# Altium PCB STM32MP15XXAC_1DDR3Lx16_A01.PcbDoc (part 1 of 3) (continued)
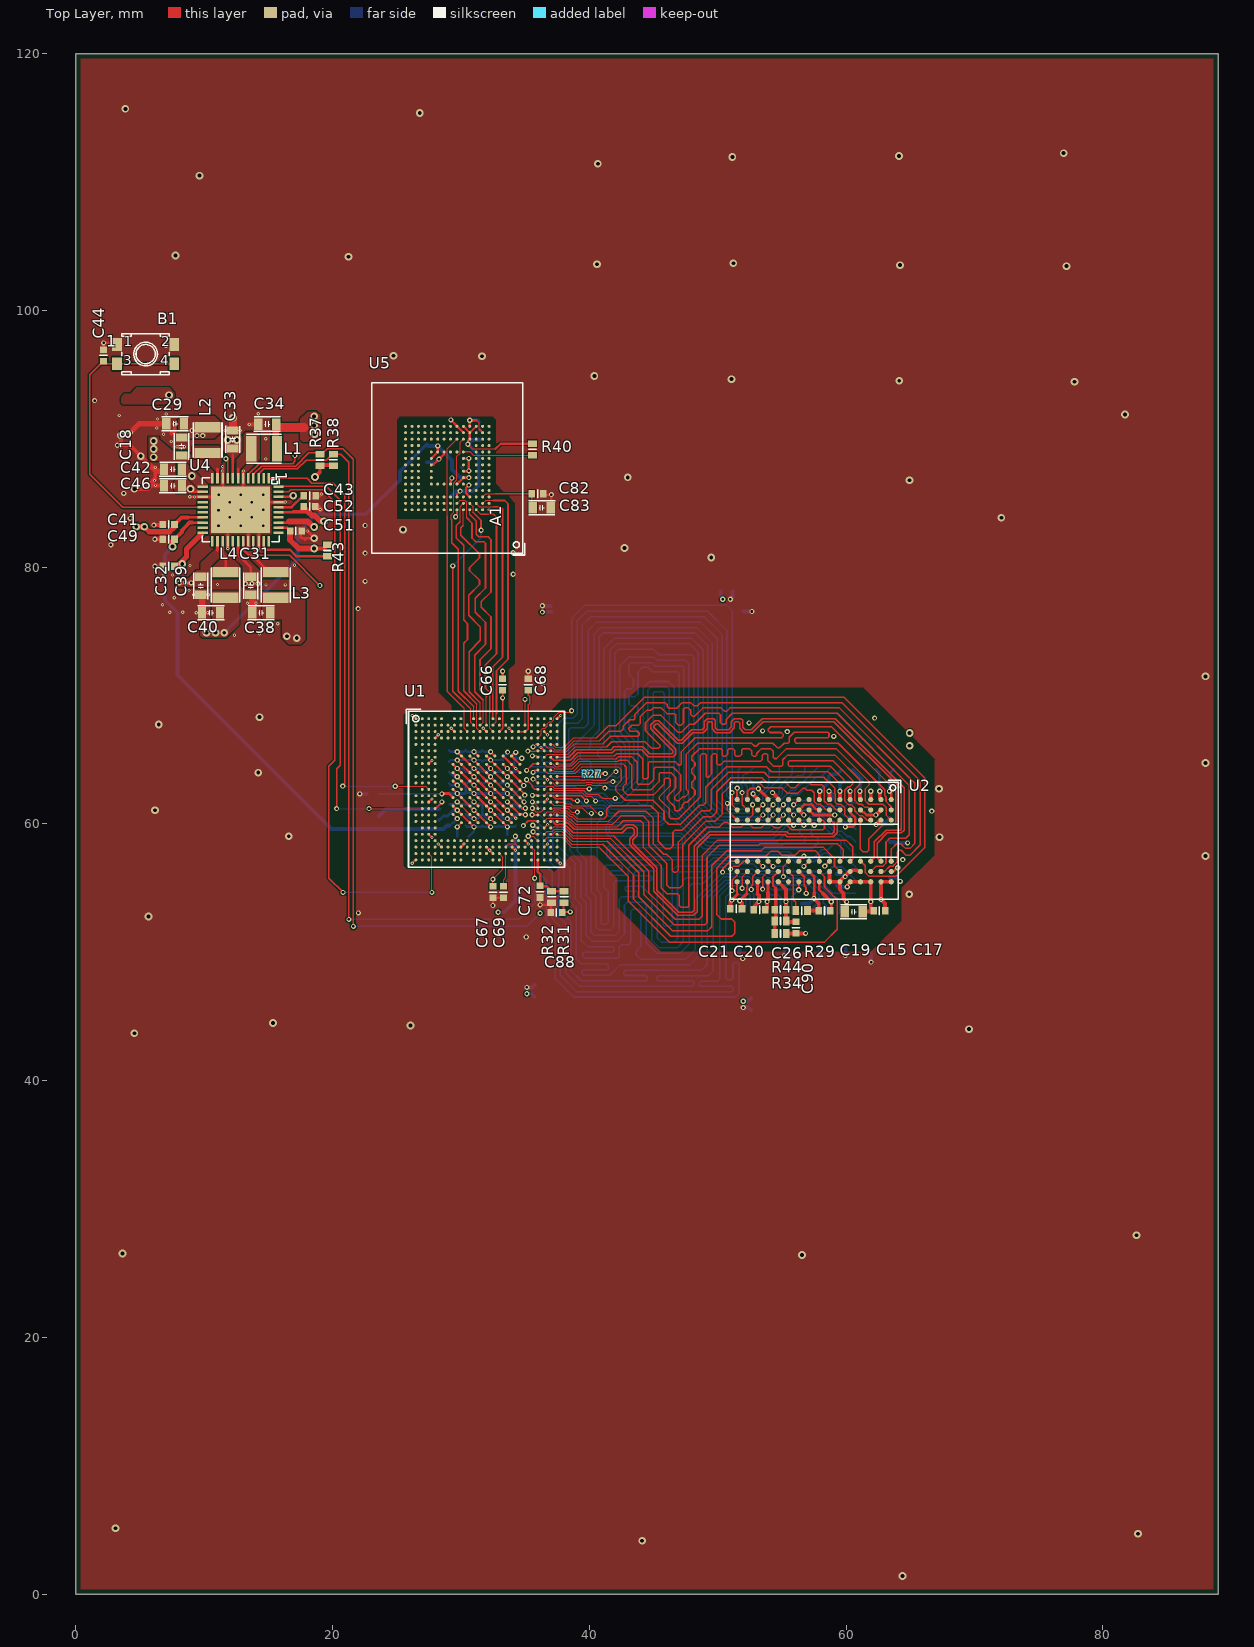
[diagram p0: Top Layer view]
## Classes and differential pairs
net class eMMC_SDIO2_D[0..7]: eMMC_SDIO2_D0 eMMC_SDIO2_D1 eMMC_SDIO2_D2 eMMC_SDIO2_D3 eMMC_SDIO2_D4 eMMC_SDIO2_D5 eMMC_SDIO2_D6 eMMC_SDIO2_D7
component class U_STM32_MPU_IOs: C72 C88 R27 R31 R32 R37 R38 U1
component class U_eMMC: C78 C79 C80 C81 C82 C83 R40 U5
component class U_Power_PMIC: B1 C18 C29 C31 C32 C33 C34 C38 C39 C40 C41 C42 C43 C44 C46 C49 C51 C52 L1 L2 L3 L4 R43 U4
component class U_Power_MPU: C30 C35 C36 C37 C45 C47 C48 C50 C53 C54 C55 C56 C57 C61 C66 C67 C68 C69 C70 C71 C75 C76 C77 C92 C94 C95 C96 C97 R41
component class U_1DDR3L_16bits: C1 C2 C3 C4 C5 C6 C7 C8 C9 C10 C11 C12 C13 C14 C15 C16 C17 C19 C20 C21 C22 C23 C24 C25 C26 C84 C85 C86 C87 C89 C90 R1 R2 R3 R4 R5 R6 R7 R8 R9 R10 R11 R12 R13 R14 R15 R16 R17 R18 R19 R20 R21 R22 R23 R24 R25 R26 R28 R29 R33 R34 R42 R44 U2
polygon class POLY_DIRECT_ALL: NETC906_2_L01_P192
differential pair class DIFF_DQS0: DDR_DQS0
differential pair class DIFF_DQS1: DDR_DQS1
differential pair class DIFF_CLK: DDR_CLK
differential pair DDR_DQS1: +DDR_DQS1_P -DDR_DQS1_N
differential pair DDR_DQS0: +DDR_DQS0_P -DDR_DQS0_N
differential pair DDR_CLK: +DDR_CLK_P -DDR_CLK_N

## Components (designator, comment, footprint, x,y, rotation, side; value= is the part's Value field where it differs from the comment)
B1 "" SWI_JIUBABA_C-TS-02H-2-5-B-V-T_R_BLUE 5.45,96.6 r0 top value=SW-PUSH-TS-02H-Blue
C1 "" C0402 57.955,50.845 r270 bottom value=100nF
C2 "" C0402 51.705,50.845 r270 bottom value=100nF
C3 "" C0402 53.205,50.845 r270 bottom value=100nF
C4 "" C0402 55.205,50.845 r270 bottom value=100nF
C5 "" C0402 59.955,50.845 r270 bottom value=100nF
C6 "" C0402 62.955,55.845 r0 bottom value=100nF
C7 "" C0402 62.955,58.595 r0 bottom value=100nF
C8 "" C0402 63.325,61 r270 bottom value=100nF
C9 "" C0402 58.3,66.6 r90 bottom value=100nF
C10 "" C0402 56.3,66.6 r90 bottom value=100nF
C11 "" C0402 54.3,66.6 r90 bottom value=100nF
C12 "" C0402 52.3,66.595 r90 bottom value=100nF
C13 "" C0603 61.955,50.595 r90 bottom value=22uF
C14 "" C0603 60.5,66.675 r270 bottom value=22uF
C15 "" C0603 60.6,53.175 r0 top value=10uF
C16 "" C0603 63.025,64.275 r0 bottom value=10uF
C17 "" C0402 62.6,53.25 r0 top value=100nF
C18 "" C0603 8.25,89.4 r270 top value=10uF
C19 "" C0402 58.325,53.25 r180 top value=100nF
C20 "" C0402 53.275,53.325 r180 top value=100nF
C21 "" C0402 51.45,53.4 r180 top value=100nF
C22 "" C0402 53.05,63.4 r180 bottom value=100nF
C23 "" C0402 59.3,55.65 r90 bottom value=100nF
C24 "" C0402 63.025,63.25 r180 bottom value=100nF
C25 "" C0402 58.45,61.925 r0 bottom value=100nF
C26 "" C0402 54.9,53.325 r0 top value=100nF
C29 "" C0603 7.75,91.175 r0 top value=22uF
C30 "" C0402 30.375,65.3 r90 bottom value=1uF
C31 "" C0603 13.625,78.55 r90 top value=10uF
C32 "" C0402 7.25,80.075 r0 top value=1uF
C33 "" C0603 12.25,89.95 r270 top value=10uF
C34 "" C0603 14.925,91.15 r0 top value=22uF
C35 "" C0402 29.075,65.3 r90 bottom value=1uF
C36 "" C0402 31.675,63.625 r90 bottom value=1uF
C37 "" C0402 30.375,63.625 r90 bottom value=1uF
C38 "" C0603 14.45,76.45 r0 top value=22uF
C39 "" C0603 9.75,78.55 r90 top value=10uF
C40 "" C0603 10.55,76.45 r0 top value=22uF
C41 "" C0402 7.25,83.325 r0 top value=1uF
C42 "" C0603 7.575,87.625 r0 top value=10uF
C43 "" C0402 18.234,85.562 r0 top value=4.7uF
C44 "" C0402 2.175,96.5 r270 top value=10nF
C45 "" C0402 32.975,63.625 r270 bottom value=1uF
C46 "" C0603 7.575,86.35 r0 top value=10uF
C47 "" C0402 30.175,59.025 r180 bottom value=1uF
C48 "" C0402 30.375,61.975 r270 bottom value=1uF
C49 "" C0402 7.25,82.175 r0 top value=4.7uF
C50 "" C0402 27.35,60.725 r90 bottom value=1uF
C51 "" C0402 17.15,82.825 r180 top value=4.7uF
C52 "" C0402 18.225,84.725 r180 top value=4.7uF
C53 "" C0402 33.725,64.95 r0 bottom value=1uF
C54 "" C0402 34.275,60.325 r90 bottom value=1uF
C55 "" C0402 32.975,60.325 r90 bottom value=1uF
C56 "" C0402 34.275,61.975 r90 bottom value=1nF
C57 "" C0402 34.275,63.625 r90 bottom value=1nF
C61 "" C0402 23.125,62.35 r0 bottom value=100nF
C66 "Capacitor" C0402 33.25,70.85 r270 top value=100nF
C67 "Capacitor" C0402 32.5,54.7 r90 top value=2.2uF
C68 "Capacitor" C0402 35.25,70.85 r270 top value=2.2uF
C69 "Capacitor" C0402 33.325,54.7 r90 top value=2.2uF
C70 "" C0402 29.125,60.325 r270 bottom value=1uF
C71 "" C0402 33.625,58.725 r270 bottom value=100nF
C72 "" C0402 36.175,54.725 r90 top value=100nF
C75 "" C0402 29.075,63.625 r270 bottom value=1uF
C76 "" C0402 31.675,65.3 r90 bottom value=1uF
C77 "" C0402 32.975,61.975 r270 bottom value=1uF
C78 "" C0402 30.025,87.35 r270 bottom value=100nF
C79 "" C0603 27.35,88.875 r90 bottom value=2.2uF
C80 "" C0402 29.2,85.925 r270 bottom value=100nF
C81 "" C0603 31.475,90.6 r270 bottom value=2.2uF
C82 "" C0402 35.975,85.725 r180 top value=100nF
C83 "" C0603 36.3,84.625 r180 top value=2.2uF
C84 "" C0402 37,76.75 r90 bottom value=100nF
C85 "" C0402 50.7,78.1 r0 bottom value=100nF
C86 "" C0402 52.6,45.95 r270 bottom value=100nF
C87 "" C0402 35.75,47 r90 bottom value=100nF
C88 "" C0402 37.45,53.1 r0 top value=100nF
C89 "" C0402 60.75,63.25 r0 bottom value=100nF
C90 "" C0402 56.1,51.925 r90 top value=100nF
C92 "" C0402 31.675,61.975 r270 bottom value=1uF
C94 "" C0402 29.125,61.975 r270 bottom value=1uF
C95 "" C0402 31.675,60.325 r90 bottom value=1uF
C96 "" C0402 30.375,60.325 r90 bottom value=1uF
C97 "Capacitor" C0402 28.3,60.725 r90 bottom value=10nF
L1 "" IND_2520_TOKO_DFE252012P 14.675,89.225 r0 top value=1uH
L2 "" IND_2520_TOKO_DFE252012P 10.275,89.9 r90 top value=1uH
L3 "" IND_2520_TOKO_DFE252012P 15.575,78.625 r270 top value=1uH
L4 "" IND_2520_TOKO_DFE252012P 11.675,78.625 r270 top value=1uH
R1 "" R0402 57.8,64.85 r90 bottom value=56R
R2 "" R0402 61.2,54.6 r0 bottom value=56R
R3 "" R0402 55.8,64.85 r90 bottom value=56R
R4 "" R0402 56.8,64.85 r90 bottom value=56R
R5 "" R0402 53.65,52.6 r270 bottom value=56R
R6 "" R0402 54.8,64.85 r90 bottom value=56R
R7 "" R0402 52.675,52.6 r270 bottom value=56R
R8 "" R0402 51.8,64.85 r90 bottom value=56R
R9 "" R0402 51.705,52.595 r270 bottom value=56R
R10 "" R0402 53.8,64.85 r90 bottom value=56R
R11 "" R0402 59.5,52.6 r270 bottom value=56R
R12 "" R0402 58.525,52.6 r270 bottom value=56R
R13 "" R0402 61.205,55.595 r0 bottom value=56R
R14 "" R0402 58.955,57.845 r90 bottom value=100R
R15 "" R0402 52.8,64.85 r90 bottom value=56R
R16 "" R0402 57.55,52.6 r270 bottom value=56R
R17 "" R0402 58.8,64.85 r90 bottom value=56R
R18 "" R0402 54.625,52.6 r270 bottom value=56R
R19 "" R0402 61.205,61.595 r0 bottom value=56R
R20 "" R0402 61.205,56.595 r0 bottom value=56R
R21 "" R0402 61.205,57.595 r0 bottom value=56R
R22 "" R0402 61.205,59.595 r0 bottom value=56R
R23 "" R0402 55.6,52.6 r270 bottom value=56R
R24 "" R0402 61.205,58.595 r0 bottom value=56R
R25 "" R0402 61.205,60.595 r0 bottom value=56R
R26 "" R0402 56.58,53.37 r270 bottom value=10K
R27 "" R0402 40.225,63.925 r0 top value="240R 1%"
R28 "" R0402 51.575,76.55 r180 bottom value=10K
R29 "" R0402 56.55,53.25 r180 top value="240R 1%"
R31 "" R0402 38.05,54.325 r270 top value=1K
R32 "" R0402 37.075,54.325 r90 top value=1K
R33 "" R0402 59.1,63.25 r0 bottom value=1K
R34 "" R0402 54.9,51.475 r0 top value=1K
R37 "" R0402 19.025,88.35 r90 top value=1K5
R38 "" R0402 20.074,88.363 r90 top value=1K5
R40 "" R0402 35.575,89.175 r90 top value=10K
R41 "" R0402 23.5,60.175 r90 bottom value=0R
R42 "" R0402 60.075,64.2 r180 bottom value=1K
R43 "" R0402 19.625,81.3 r90 top value=47K
R44 "" R0402 54.9,52.45 r180 top value=1K
U1 "" ICC_TFBGA361_12X12_STM32MP157CAC3_P050-065 32,62.7 r0 top locked value=STM32MP157CAC3
U2 "NT5CC256M16ER-EK" ICC_VFBGA96_9X13_P080 57.525,58.7 r270 top
U4 "" ICC_WFQFN44-EPAD_5X6_P040 12.85,84.475 r270 top value=STPMU1A
U5 "" ICC_P-WFBGA153_13X11P5_P050 28.95,87.725 r90 top locked value=THGBMDG5D1LBAIL

## Footprints (in the part's own frame and the unit in brackets; to place one, negate y for a bottom-side part, rotate by r counter-clockwise, add the part's x,y. Pads: shape width x height; smd on the part's side, far side on the other; paste and mask are expansions set on the pad)
C0402 [mm]
  rect 0.51x0.56 smd mask+0.05: 1(-0.45,0) 2(0.45,0)
  silkscreen extent 0,-0.3 0,0.3, body extent -0.5,-0.3 0.5,0.3, height 0.4
C0603 [mm]
  rect 0.64x0.89 smd mask+0.05: 1(-0.7,0) 2(0.7,0)
  silkscreen extent -1.05,-0.55 1.02,0.55, body extent -0.9,-0.5 0.9,0.5, height 1.4
ICC_P-WFBGA153_13X11P5_P050 [mm]
  round 0.23 smd mask+0.05: A1(-3.25,-3.25) A2(-3.25,-2.75) A3(-3.25,-2.25) A4(-3.25,-1.75) A5(-3.25,-1.25) A6(-3.25,-0.75) A7(-3.25,-0.25) A8(-3.25,0.25) A9(-3.25,0.75) A10(-3.25,1.25) A11(-3.25,1.75) A12(-3.25,2.25) A13(-3.25,2.75) A14(-3.25,3.25) B1(-2.75,-3.25) B2(-2.75,-2.75) B3(-2.75,-2.25) B4(-2.75,-1.75) B5(-2.75,-1.25) B6(-2.75,-0.75) B7(-2.75,-0.25) B8(-2.75,0.25) B9(-2.75,0.75) B10(-2.75,1.25) B11(-2.75,1.75) B12(-2.75,2.25) B13(-2.75,2.75) B14(-2.75,3.25) C1(-2.25,-3.25) C2(-2.25,-2.75) C3(-2.25,-2.25) C4(-2.25,-1.75) C5(-2.25,-1.25) C6(-2.25,-0.75) C7(-2.25,-0.25) C8(-2.25,0.25) C9(-2.25,0.75) C10(-2.25,1.25) C11(-2.25,1.75) C12(-2.25,2.25) C13(-2.25,2.75) C14(-2.25,3.25) D1(-1.75,-3.25) D2(-1.75,-2.75) D3(-1.75,-2.25) D4(-1.75,-1.75) D12(-1.75,2.25) D13(-1.75,2.75) D14(-1.75,3.25) E1(-1.25,-3.25) E2(-1.25,-2.75) E3(-1.25,-2.25) E5(-1.25,-1.25) E6(-1.25,-0.75) E7(-1.25,-0.25) E8(-1.25,0.25) E9(-1.25,0.75) E10(-1.25,1.25) E12(-1.25,2.25) E13(-1.25,2.75) E14(-1.25,3.25) F1(-0.75,-3.25) F2(-0.75,-2.75) F3(-0.75,-2.25) F5(-0.75,-1.25) F10(-0.75,1.25) F12(-0.75,2.25) F13(-0.75,2.75) F14(-0.75,3.25) G1(-0.25,-3.25) G2(-0.25,-2.75) G3(-0.25,-2.25) G5(-0.25,-1.25) G10(-0.25,1.25) G12(-0.25,2.25) G13(-0.25,2.75) G14(-0.25,3.25) H1(0.25,-3.25) H2(0.25,-2.75) H3(0.25,-2.25) H5(0.25,-1.25) H10(0.25,1.25) H12(0.25,2.25) H13(0.25,2.75) H14(0.25,3.25) J1(0.75,-3.25) J2(0.75,-2.75) J3(0.75,-2.25) J5(0.75,-1.25) J10(0.75,1.25) J12(0.75,2.25) J13(0.75,2.75) J14(0.75,3.25) K1(1.25,-3.25) K2(1.25,-2.75) K3(1.25,-2.25) K5(1.25,-1.25) K6(1.25,-0.75) K7(1.25,-0.25) K8(1.25,0.25) K9(1.25,0.75) K10(1.25,1.25) K12(1.25,2.25) K13(1.25,2.75) K14(1.25,3.25) L1(1.75,-3.25) L2(1.75,-2.75) L3(1.75,-2.25) L12(1.75,2.25) L13(1.75,2.75) L14(1.75,3.25) M1(2.25,-3.25) M2(2.25,-2.75) M3(2.25,-2.25) M4(2.25,-1.75) M5(2.25,-1.25) M6(2.25,-0.75) M7(2.25,-0.25) M8(2.25,0.25) M9(2.25,0.75) M10(2.25,1.25) M11(2.25,1.75) M12(2.25,2.25) M13(2.25,2.75) M14(2.25,3.25) N1(2.75,-3.25) N2(2.75,-2.75) N3(2.75,-2.25) N4(2.75,-1.75) N5(2.75,-1.25) N6(2.75,-0.75) N7(2.75,-0.25) N8(2.75,0.25) N9(2.75,0.75) N10(2.75,1.25) N11(2.75,1.75) N12(2.75,2.25) N13(2.75,2.75) N14(2.75,3.25) P1(3.25,-3.25) P2(3.25,-2.75) P3(3.25,-2.25) P4(3.25,-1.75) P5(3.25,-1.25) P6(3.25,-0.75) P7(3.25,-0.25) P8(3.25,0.25) P9(3.25,0.75) P10(3.25,1.25) P11(3.25,1.75) P12(3.25,2.25) P13(3.25,2.75) P14(3.25,3.25)
  silkscreen extent -6.78,-6.02 6.63,5.87, body extent -6.55,-5.8 6.55,5.8, height 1
ICC_TFBGA361_12X12_STM32MP157CAC3_P050-065 [mm] "IPC"
  round 0.23 smd mask+0.05: 1A2(-1.95,2.6) 1A3(-1.3,2.6) 1A4(-0.65,2.6) 1A5(0,2.6) 1A6(0.65,2.6) 1A7(1.3,2.6) 1A8(1.95,2.6) 1B1(-2.6,1.95) 1B2(-1.95,1.95) 1B3(-1.3,1.95) 1B4(-0.65,1.95) 1B5(0,1.95) 1B6(0.65,1.95) 1B7(1.3,1.95) 1B8(1.95,1.95) 1B9(2.6,1.95) 1C1(-2.6,1.3) 1C2(-1.95,1.3) 1C3(-1.3,1.3) 1C4(-0.65,1.3) 1C5(0,1.3) 1C6(0.65,1.3) 1C7(1.3,1.3) 1C8(1.95,1.3) 1C9(2.6,1.3) 1D1(-2.6,0.65) 1D2(-1.95,0.65) 1D3(-1.3,0.65) 1D4(-0.65,0.65) 1D5(0,0.65) 1D6(0.65,0.65) 1D7(1.3,0.65) 1D8(1.95,0.65) 1D9(2.6,0.65) 1E1(-2.6,0) 1E2(-1.95,0) 1E3(-1.3,0) 1E4(-0.65,0) 1E5(0,0) 1E6(0.65,0) 1E7(1.3,0) 1E8(1.95,0) 1E9(2.6,0) 1F1(-2.6,-0.65) 1F2(-1.95,-0.65) 1F3(-1.3,-0.65) 1F4(-0.65,-0.65) 1F5(0,-0.65) 1F6(0.65,-0.65) 1F7(1.3,-0.65) 1F8(1.95,-0.65) 1F9(2.6,-0.65) 1G1(-2.6,-1.3) 1G2(-1.95,-1.3) 1G3(-1.3,-1.3) 1G4(-0.65,-1.3) 1G5(0,-1.3) 1G6(0.65,-1.3) 1G7(1.3,-1.3) 1G8(1.95,-1.3) 1G9(2.6,-1.3) 1H1(-2.6,-1.95) 1H2(-1.95,-1.95) 1H3(-1.3,-1.95) 1H4(-0.65,-1.95) 1H5(0,-1.95) 1H6(0.65,-1.95) 1H7(1.3,-1.95) 1H8(1.95,-1.95) 1H9(2.6,-1.95) 1J2(-1.95,-2.6) 1J3(-1.3,-2.6) 1J4(-0.65,-2.6) 1J5(0,-2.6) 1J6(0.65,-2.6) 1J7(1.3,-2.6) 1J8(1.95,-2.6) A1(-5.5,5.5) A2(-5,5.5) A3(-4.5,5.5) A4(-4,5.5) A5(-3.5,5.5) A7(-2.5,5.5) A8(-2,5.5) A10(-1,5.5) A11(-0.5,5.5) A13(0.5,5.5) A14(1,5.5) A16(2,5.5) A17(2.5,5.5) A19(3.5,5.5) A20(4,5.5) A21(4.5,5.5) A22(5,5.5) A23(5.5,5.5) AA1(-5.5,-4.5) AA2(-5,-4.5) AA3(-4.5,-4.5) AA4(-4,-4.5) AA5(-3.5,-4.5) AA6(-3,-4.5) AA7(-2.5,-4.5) AA8(-2,-4.5) AA9(-1.5,-4.5) AA10(-1,-4.5) AA11(-0.5,-4.5) AA12(0,-4.5) AA13(0.5,-4.5) AA14(1,-4.5) AA15(1.5,-4.5) AA16(2,-4.5) AA17(2.5,-4.5) AA18(3,-4.5) AA19(3.5,-4.5) AA20(4,-4.5) AA21(4.5,-4.5) AA22(5,-4.5) AA23(5.5,-4.5) AB1(-5.5,-5) AB2(-5,-5) AB3(-4.5,-5) AB4(-4,-5) AB5(-3.5,-5) AB6(-3,-5) AB7(-2.5,-5) AB8(-2,-5) AB9(-1.5,-5) AB10(-1,-5) AB11(-0.5,-5) AB12(0,-5) AB13(0.5,-5) AB14(1,-5) AB15(1.5,-5) AB16(2,-5) AB17(2.5,-5) AB18(3,-5) AB19(3.5,-5) AB20(4,-5) AB21(4.5,-5) AB22(5,-5) AB23(5.5,-5) AC1(-5.5,-5.5) AC2(-5,-5.5) AC3(-4.5,-5.5) AC4(-4,-5.5) AC5(-3.5,-5.5) AC7(-2.5,-5.5) AC8(-2,-5.5) AC10(-1,-5.5) AC11(-0.5,-5.5) AC13(0.5,-5.5) AC14(1,-5.5) AC16(2,-5.5) AC17(2.5,-5.5) AC19(3.5,-5.5) AC20(4,-5.5) AC21(4.5,-5.5) AC22(5,-5.5) AC23(5.5,-5.5) B1(-5.5,5) B2(-5,5) B3(-4.5,5) B4(-4,5) B5(-3.5,5) B6(-3,5) B7(-2.5,5) B8(-2,5) B9(-1.5,5) B10(-1,5) B11(-0.5,5) B12(0,5) B13(0.5,5) B14(1,5) B15(1.5,5) B16(2,5) B17(2.5,5) B18(3,5) B19(3.5,5) B20(4,5) B21(4.5,5) B22(5,5) B23(5.5,5) C1(-5.5,4.5) C2(-5,4.5) C3(-4.5,4.5) C4(-4,4.5) C5(-3.5,4.5) C6(-3,4.5) C7(-2.5,4.5) C8(-2,4.5) C9(-1.5,4.5) C10(-1,4.5) C11(-0.5,4.5) C12(0,4.5) C13(0.5,4.5) C14(1,4.5) C15(1.5,4.5) C16(2,4.5) C17(2.5,4.5) C18(3,4.5) C19(3.5,4.5) C20(4,4.5) C21(4.5,4.5) C22(5,4.5) C23(5.5,4.5) D1(-5.5,4) D2(-5,4) D3(-4.5,4) D4(-4,4) D5(-3.5,4) D6(-3,4) D7(-2.5,4) D8(-2,4) D9(-1.5,4) D10(-1,4) D11(-0.5,4) D12(0,4) D13(0.5,4) D14(1,4) D15(1.5,4) D16(2,4) D17(2.5,4) D18(3,4) D19(3.5,4) D20(4,4) D21(4.5,4) D22(5,4) D23(5.5,4) E1(-5.5,3.5) E2(-5,3.5) E3(-4.5,3.5) E4(-4,3.5) E20(4,3.5) E21(4.5,3.5) E22(5,3.5) E23(5.5,3.5) F2(-5,3) F3(-4.5,3) F4(-4,3) F20(4,3) F21(4.5,3) F22(5,3) G1(-5.5,2.5) G2(-5,2.5) G3(-4.5,2.5) G4(-4,2.5) G20(4,2.5) G21(4.5,2.5) G22(5,2.5) G23(5.5,2.5) H1(-5.5,2) H2(-5,2) H3(-4.5,2) H4(-4,2) H20(4,2) H21(4.5,2) H22(5,2) H23(5.5,2) J2(-5,1.5) J3(-4.5,1.5) J4(-4,1.5) J20(4,1.5) J21(4.5,1.5) J22(5,1.5) K1(-5.5,1) K2(-5,1) K3(-4.5,1) K4(-4,1) K20(4,1) K21(4.5,1) K22(5,1) K23(5.5,1) L1(-5.5,0.5) L2(-5,0.5) L3(-4.5,0.5) L4(-4,0.5) L20(4,0.5) L21(4.5,0.5) L22(5,0.5) L23(5.5,0.5) M2(-5,0) M3(-4.5,0) M4(-4,0) M20(4,0) M21(4.5,0) M22(5,0) N1(-5.5,-0.5) N2(-5,-0.5) N3(-4.5,-0.5) N4(-4,-0.5) N20(4,-0.5) N21(4.5,-0.5) N22(5,-0.5) N23(5.5,-0.5) P1(-5.5,-1) P2(-5,-1) P3(-4.5,-1) P4(-4,-1) P20(4,-1) P21(4.5,-1) P22(5,-1) P23(5.5,-1) R2(-5,-1.5) R3(-4.5,-1.5) R4(-4,-1.5) R20(4,-1.5) R21(4.5,-1.5) R22(5,-1.5) T1(-5.5,-2) T2(-5,-2) T3(-4.5,-2) T4(-4,-2) T20(4,-2) T21(4.5,-2) T22(5,-2) T23(5.5,-2) U1(-5.5,-2.5) U2(-5,-2.5) U3(-4.5,-2.5) U4(-4,-2.5) U20(4,-2.5) U21(4.5,-2.5) U22(5,-2.5) U23(5.5,-2.5) V2(-5,-3) V3(-4.5,-3) V4(-4,-3) V20(4,-3) V21(4.5,-3) V22(5,-3) W1(-5.5,-3.5) W2(-5,-3.5) W3(-4.5,-3.5) W4(-4,-3.5) W20(4,-3.5) W21(4.5,-3.5) W22(5,-3.5) W23(5.5,-3.5) Y1(-5.5,-4) Y2(-5,-4) Y3(-4.5,-4) Y4(-4,-4) Y5(-3.5,-4) Y6(-3,-4) Y7(-2.5,-4) Y8(-2,-4) Y9(-1.5,-4) Y10(-1,-4) Y11(-0.5,-4) Y12(0,-4) Y13(0.5,-4) Y14(1,-4) Y15(1.5,-4) Y16(2,-4) Y17(2.5,-4) Y18(3,-4) Y19(3.5,-4) Y20(4,-4) Y21(4.5,-4) Y22(5,-4) Y23(5.5,-4)
  silkscreen extent -6.25,-6.07 6.07,6.25, body extent -6.07,-6.07 6.07,6.07, height 1.21
ICC_VFBGA96_9X13_P080 [mm]
  round 0.4 smd mask+0.05: A1(-3.2,6) A2(-2.4,6) A3(-1.6,6) A7(1.6,6) A8(2.4,6) A9(3.2,6) B1(-3.2,5.2) B2(-2.4,5.2) B3(-1.6,5.2) B7(1.6,5.2) B8(2.4,5.2) B9(3.2,5.2) C1(-3.2,4.4) C2(-2.4,4.4) C3(-1.6,4.4) C7(1.6,4.4) C8(2.4,4.4) C9(3.2,4.4) D1(-3.2,3.6) D2(-2.4,3.6) D3(-1.6,3.6) D7(1.6,3.6) D8(2.4,3.6) D9(3.2,3.6) E1(-3.2,2.8) E2(-2.4,2.8) E3(-1.6,2.8) E7(1.6,2.8) E8(2.4,2.8) E9(3.2,2.8) F1(-3.2,2) F2(-2.4,2) F3(-1.6,2) F7(1.6,2) F8(2.4,2) F9(3.2,2) G1(-3.2,1.2) G2(-2.4,1.2) G3(-1.6,1.2) G7(1.6,1.2) G8(2.4,1.2) G9(3.2,1.2) H1(-3.2,0.4) H2(-2.4,0.4) H3(-1.6,0.4) H7(1.6,0.4) H8(2.4,0.4) H9(3.2,0.4) J1(-3.2,-0.4) J2(-2.4,-0.4) J3(-1.6,-0.4) J7(1.6,-0.4) J8(2.4,-0.4) J9(3.2,-0.4) K1(-3.2,-1.2) K2(-2.4,-1.2) K3(-1.6,-1.2) K7(1.6,-1.2) K8(2.4,-1.2) K9(3.2,-1.2) L1(-3.2,-2) L2(-2.4,-2) L3(-1.6,-2) L7(1.6,-2) L8(2.4,-2) L9(3.2,-2) M1(-3.2,-2.8) M2(-2.4,-2.8) M3(-1.6,-2.8) M7(1.6,-2.8) M8(2.4,-2.8) M9(3.2,-2.8) N1(-3.2,-3.6) N2(-2.4,-3.6) N3(-1.6,-3.6) N7(1.6,-3.6) N8(2.4,-3.6) N9(3.2,-3.6) P1(-3.2,-4.4) P2(-2.4,-4.4) P3(-1.6,-4.4) P7(1.6,-4.4) P8(2.4,-4.4) P9(3.2,-4.4) R1(-3.2,-5.2) R2(-2.4,-5.2) R3(-1.6,-5.2) R7(1.6,-5.2) R8(2.4,-5.2) R9(3.2,-5.2) T1(-3.2,-6) T2(-2.4,-6) T3(-1.6,-6) T7(1.6,-6) T8(2.4,-6) T9(3.2,-6)
  silkscreen extent -4.72,-6.55 4.55,6.73, body extent -4.55,-6.55 4.55,6.55, height 1
ICC_WFQFN44-EPAD_5X6_P040 [mm]
  rect 0.8x0.2 smd mask+0.05: 1(-2.45,2.2) 2(-2.45,1.8) 3(-2.45,1.4) 4(-2.45,1) 5(-2.45,0.6) 6(-2.45,0.2) 7(-2.45,-0.2) 8(-2.45,-0.6) 9(-2.45,-1) 10(-2.45,-1.4) 11(-2.45,-1.8) 12(-2.45,-2.2) 23(2.45,-2.2) 24(2.45,-1.8) 25(2.45,-1.4) 26(2.45,-1) 27(2.45,-0.6) 28(2.45,-0.2) 29(2.45,0.2) 30(2.45,0.6) 31(2.45,1) 32(2.45,1.4) 33(2.45,1.8) 34(2.45,2.2)
  rect 0.2x0.8 smd mask+0.05: 13(-1.8,-2.95) 14(-1.4,-2.95) 15(-1,-2.95) 16(-0.6,-2.95) 17(-0.2,-2.95) 18(0.2,-2.95) 19(0.6,-2.95) 20(1,-2.95) 21(1.4,-2.95) 22(1.8,-2.95) 35(1.8,2.95) 36(1.4,2.95) 37(1,2.95) 38(0.6,2.95) 39(0.2,2.95) 40(-0.2,2.95) 41(-0.6,2.95) 42(-1,2.95) 43(-1.4,2.95) 44(-1.8,2.95)
  rect 3.6x4.6 smd paste-1.8 mask+0.05: ep(0,0)
  silkscreen extent -2.5,-3 2.5,3, body extent -2.5,-3 2.5,3, height 0.81
IND_2520_TOKO_DFE252012P [mm]
  rect 0.8x2 smd mask+0.05: 1(-1,0) 2(1,0)
  silkscreen extent -1.35,-1.12 1.35,1.12, body extent -1.35,-1.1 1.35,1.1, height 2
R0402 [mm]
  rect 0.51x0.7 smd mask+0.05: 1(-0.45,0) 2(0.45,0)
  silkscreen extent 0,-0.3 0,0.3, body extent -0.52,-0.3 0.52,0.3, height 0.4
SWI_JIUBABA_C-TS-02H-2-5-B-V-T_R_BLUE [mm] "BLUE"
  rect 0.75x1 smd mask+0.05: 1(-2.225,0.75) 2(2.225,0.75) 3(-2.225,-0.75) 4(2.225,-0.75)
  silkscreen extent -1.85,-1.6 1.85,1.6, body extent -2.45,-1.6 2.45,1.6, height 2.6

## Part data
B1: library part MCD-00172, "Switch HW SMD blue", Manufacturer=JIUBABA, Manufacturer_Part_Number="C-TS-02H-2.5-B-V-T/R BLUE", ComponentLink1Description=Datasheet, ComponentLink1URL=http://tunmcdsvn.tun.st.com/Component_Datasheet_Library/Trunk/Misc/Jiubaba_TS-02H-H2-5, ECCN_EU=n/a, ECCN_US=n/a, Internal_Part_Number=MCD-00172, Part_Type=Misc, Provided_By=SUBCO, Status=Checked
C1 C2 C3 C4 C5 C6 C7 C8 C9 C10 C11 C12 C17 C19 C20 C21 C22 C23 C24 C25 C26 C61 C66 C71 C72 C78 C80 C82 C84 C85 C86 C87 C88 C89 C90: library part MCD-00006, "Capacitor, MLCC, 100nF, 16V, X7R, 10%, 0402, T=0.5mm", Alternate_Manufacturer=MURATA, Alternate_Manufacturer_Part_Number=GCM155R71C104KA55D, Manufacturer=YAGEO, Manufacturer_Part_Number=CC0402KRX7R7BB104, Package=C0402, ComponentLink1Description=Datasheet, ComponentLink1URL=http://tunmcdsvn.tun.st.com/Component_Datasheet_Library/Trunk/Capacitors/Yageo_Multilayer_Capacitor_X7R_series_100pF_to_22uF, ECCN_EU=NEC, ECCN_US=EAR99, Internal_Part_Number=MCD-00006, Part_Type=Capacitor, Provided_By=SUBCO, Status=Released
C13 C14 C29 C34 C38 C40: library part MCD-00100, "Capacitor, MLCC, 22uF, 6V3, X5R, 20%, 0603, T=0,8mm", Manufacturer=MURATA, Manufacturer_Part_Number=GRM188R60J226MEA0J, Package=C0603, ComponentLink1Description=Datasheet, ComponentLink1URL=http://tunmcdsvn.tun.st.com/Component_Datasheet_Library/Trunk/Capacitors/Murata_Capacitor_GR_series, ECCN_EU=NEC, ECCN_US=EAR99, Internal_Part_Number=MCD-00100, Part_Type=Capacitor, Provided_By=SUBCO, Status=Released
C15 C16: library part MCD-01124, "Capacitor, MLCC, 10uF, 10V, X5R, 10%, 0603, T=0.8mm", Manufacturer=MURATA, Manufacturer_Part_Number=GRM188R61A106KAAL, Package=C0603, ComponentLink1Description=Datasheet, ComponentLink1URL=http://tunmcdsvn.tun.st.com/Component_Datasheet_Library/Trunk/Capacitors/Murata_Capacitor_GR_series, ECCN_EU=NEC, ECCN_US=EAR99, Internal_Part_Number=MCD-01124, Part_Type=Capacitor, Provided_By=SUBCO, Status=Released
C18 C31 C33 C39 C42 C46: library part MCD-00099, "Capacitor, MLCC, 10uF, 10V, X5R, 10%, 0603, T=0,8mm", Manufacturer=MURATA, Manufacturer_Part_Number=GRM188R61A106KE69D, Package=C0603, ComponentLink1Description=Datasheet, ComponentLink1URL=http://tunmcdsvn.tun.st.com/Component_Datasheet_Library/Trunk/Capacitors/Murata_Capacitor_GR_series, ECCN_EU=NEC, ECCN_US=EAR99, Internal_Part_Number=MCD-00099, Part_Type=Capacitor, Provided_By=SUBCO, Status=Released
C30 C32 C35 C36 C37 C41 C45 C47 C48 C50 C53 C54 C55 C70 C75 C76 C77 C92 C94 C95 C96: library part MCD-00095, "Capacitor, MLCC, 1uF, 25V, X5R, 10%, 0402, T=0,5mm", Alternate_Manufacturer=MURATA, Alternate_Manufacturer_Part_Number=GRM155R60J105KE19, Manufacturer_Part_Number=GRM155R61E105KA12, Package=C0402, ComponentLink1Description=Datasheet, ComponentLink1URL=http://tunmcdsvn.tun.st.com/Component_Datasheet_Library/Trunk/Capacitors/Murata_Capacitor_GR_series, ECCN_EU=NEC, ECCN_US=EAR99, Internal_Part_Number=MCD-00095, Manufacturer=MURATA, Part_Type=Capacitor, Provided_By=SUBCO, Status=Released
C43 C49 C51 C52: library part MCD-00096, "Capacitor, MLCC, 4.7uF, 6V3, X5R, 20%, 0402, T=0,5mm", Manufacturer=MURATA, Manufacturer_Part_Number=GRM155R60J475ME87, Package=C0402, ComponentLink1Description=Datasheet, ComponentLink1URL=http://tunmcdsvn.tun.st.com/Component_Datasheet_Library/Trunk/Capacitors/Murata_Capacitor_GR_series, ECCN_EU=NEC, ECCN_US=EAR99, Internal_Part_Number=MCD-00096, Part_Type=Capacitor, Provided_By=SUBCO, Status=Obsolete
C44 C97: library part MCD-00011, "Capacitor, MLCC, 10nF, 16V, X7R, 10%, 0402, T=0.5mm", Manufacturer=YAGEO, Manufacturer_Part_Number=CC0402KRX7R7BB103, Package=C0402, ComponentLink1Description=Datasheet, ComponentLink1URL=http://tunmcdsvn.tun.st.com/Component_Datasheet_Library/Trunk/Capacitors/Yageo_Multilayer_Capacitor_X7R_series_100pF_to_22uF, ECCN_EU=NEC, ECCN_US=EAR99, Internal_Part_Number=MCD-00011, Part_Type=Capacitor, Provided_By=SUBCO, Status=Released
C56 C57: library part MCD-00198, "Capacitor, MLCC, 1nF, 16V, X7R, 10%, 0402, T=0.5mm", Manufacturer=YAGEO, Manufacturer_Part_Number=CC0402KRX7R7BB102, Package=C0402, ComponentLink1Description=Datasheet, ComponentLink1URL=http://tunmcdsvn.tun.st.com/Component_Datasheet_Library/Trunk/Capacitors/Yageo_Multilayer_Capacitor_X7R_series_100pF_to_22uF, ECCN_EU=NEC, ECCN_US=EAR99, Internal_Part_Number=MCD-00198, Part_Type=Capacitor, Provided_By=SUBCO, Status=Released
C67 C68 C69: library part MCD-01823, "Capacitor,MLCC,2.2uF,6V3,X5R,10%,0402,T=0.5", Manufacturer=MURATA, Manufacturer_Part_Number=GRM155R60J225KE95D, Package=C0402, ComponentLink1Description=Datasheet, ComponentLink1URL=http://tunmcdsvn.tun.st.com/Component_Datasheet_Library/Trunk/Capacitors/Murata_Capacitor_GR_series, ECCN_EU=NEC, ECCN_US=EAR99, Internal_Part_Number=MCD-01823, Part_Type=Capacitor, Provided_By=SUBCO, Status=Checked
C79 C81 C83: library part MCD-00012, "Capacitor, MLCC, 2.2uF, 10V, X5R, 10%, 0603, T=0,8mm", Alternate_Manufacturer=KEMET, Alternate_Manufacturer_Part_Number=C0603C225K8PACTU, Manufacturer=YAGEO, Manufacturer_Part_Number=CC0603KRX5R6BB225, Package=C0603, ComponentLink1Description=Datasheet, ComponentLink1URL=http://tunmcdsvn.tun.st.com/Component_Datasheet_Library/Trunk/Capacitors/Yageo_Multilayer_capacitor_X5R_series_100pF_to_100uF, ECCN_EU=NEC, ECCN_US=EAR99, Internal_Part_Number=MCD-00012, Part_Type=Capacitor, Provided_By=SUBCO, Status=Released
L1 L2 L3 L4: library part MCD-01122, "Power Inductor ,1uH,4.3A max,+/-20%,0.042ohm,2520", Manufacturer=MURATA, Manufacturer_Part_Number=DFE252012P-1ROM=P2, Package=2520, ComponentLink1Description=Datasheet, ComponentLink1URL=http://tunmcdsvn.tun.st.com/Component_Datasheet_Library/Trunk/Inductors/Murata_Power_inductors_DFE252012P-1ROM=P2/Murata_Power_inductors_dfe252012p.pdf, ECCN_EU=EAR99, ECCN_US=EAR99, Internal_Part_Number=MCD-01122, Part_Type=Inductor, Provided_By=SUBCO, Status="Footprint available"
R1 R2 R3 R4 R5 R6 R7 R8 R9 R10 R11 R12 R13 R15 R16 R17 R18 R19 R20 R21 R22 R23 R24 R25: library part MCD-00054, "Resistor,56R,0402,1%,1/16W", Manufacturer=YAGEO, Manufacturer_Part_Number=RC0402FR-0756RL, Package=R0402, ComponentLink1Description=Datasheet, ComponentLink1URL=http://tunmcdsvn.tun.st.com/Component_Datasheet_Library/Trunk/Resistors/Yageo_Resistor_RC0402-series, ECCN_EU=NEC, ECCN_US=EAR99, Internal_Part_Number=MCD-00054, Part_Type=Resistor, Provided_By=SUBCO, Status=Released
R14: library part MCD-00067, "Resistor,100R,0402,1%,1/16W", Manufacturer=YAGEO, Manufacturer_Part_Number=RC0402FR-07100RL, Package=R0402, ComponentLink1Description=Datasheet, ComponentLink1URL=http://tunmcdsvn.tun.st.com/Component_Datasheet_Library/Trunk/Resistors/Yageo_Resistor_RC0402-series, ECCN_EU=NEC, ECCN_US=EAR99, Internal_Part_Number=MCD-00067, Part_Type=Resistor, Provided_By=SUBCO, Status=Released
R26 R28 R40: library part MCD-00053, "Resistor,10K,0402,1%,1/16W", Manufacturer=YAGEO, Manufacturer_Part_Number=RC0402FR-0710KL, Package=R0402, ComponentLink1Description=Datasheet, ComponentLink1URL=http://tunmcdsvn.tun.st.com/Component_Datasheet_Library/Trunk/Resistors/Yageo_Resistor_RC0402-series, ECCN_EU=NEC, ECCN_US=EAR99, Internal_Part_Number=MCD-00053, Part_Type=Resistor, Provided_By=SUBCO, Status=Released
R27 R29: library part MCD-00120, "Resistor,240R,0402,1%,1/16W", Manufacturer=YAGEO, Manufacturer_Part_Number=RC0402FR-07240RL, Package=R0402, ComponentLink1Description=Datasheet, ComponentLink1URL=http://tunmcdsvn.tun.st.com/Component_Datasheet_Library/Trunk/Resistors/Yageo_Resistor_RC0402-series, ECCN_EU=NEC, ECCN_US=EAR99, Internal_Part_Number=MCD-00120, Part_Type=Resistor, Provided_By=SUBCO, Status=Released
R31 R32 R33 R34 R42 R44: library part MCD-00061, "Resistor,1K,0402,1%,1/16W", Manufacturer=YAGEO, Manufacturer_Part_Number=RC0402FR-071KL, Package=R0402, ComponentLink1Description=Datasheet, ComponentLink1URL=http://tunmcdsvn.tun.st.com/Component_Datasheet_Library/Trunk/Resistors/Yageo_Resistor_RC0402-series, ECCN_EU=NEC, ECCN_US=EAR99, Internal_Part_Number=MCD-00061, Part_Type=Resistor, Provided_By=SUBCO, Status=Released
R37 R38: library part MCD-00068, "Resistor,1K5,0402,1%,1/16W", Manufacturer=YAGEO, Manufacturer_Part_Number=RC0402FR-071K5L, Package=R0402, ComponentLink1Description=Datasheet, ComponentLink1URL=http://tunmcdsvn.tun.st.com/Component_Datasheet_Library/Trunk/Resistors/Yageo_Resistor_RC0402-series, ECCN_EU=NEC, ECCN_US=EAR99, Internal_Part_Number=MCD-00068, Part_Type=Resistor, Provided_By=SUBCO, Status=Released
R41: library part MCD-00052, "Resistor,0R,0402,5%,1/16W", Manufacturer=YAGEO, Manufacturer_Part_Number=RC0402JR-070RL, Package=R0402, ComponentLink1Description=Datasheet, ComponentLink1URL=http://tunmcdsvn.tun.st.com/Component_Datasheet_Library/Trunk/Resistors/Yageo_Resistor_RC0402-series, ECCN_EU=NEC, ECCN_US=EAR99, Internal_Part_Number=MCD-00052, Part_Type=Resistor, Provided_By=SUBCO, Status=Released
R43: library part MCD-00063, "Resistor,47K,0402,1%,1/16W", Manufacturer=YAGEO, Manufacturer_Part_Number=RC0402FR-0747KL, Package=R0402, ComponentLink1Description=Datasheet, ComponentLink1URL=http://tunmcdsvn.tun.st.com/Component_Datasheet_Library/Trunk/Resistors/Yageo_Resistor_RC0402-series, ECCN_EU=NEC, ECCN_US=EAR99, Internal_Part_Number=MCD-00063, Part_Type=Resistor, Provided_By=SUBCO, Status=Released
U1: library part MCD-00677, "MPU TFBGA12x12 secure boot+crypto", Manufacturer=STMICROELECTRONICS, Manufacturer_Part_Number=STM32MP157CAC3, BMS_Part_Number=9175503, ComponentLink1Description=Datasheet, ComponentLink1URL=http://tunmcdsvn.tun.st.com/Component_Datasheet_Library/Trunk/IC/STM_MPU_12x12_POA_DM00342580_POA12x12, ECCN_EU=NEC, ECCN_US=5A002A4, Internal_Part_Number=MCD-00677, Part_Type=IC, Provided_By="SUBCO with ST control", Status="Footprint available"
U2: library part MCD-01811, "Memory,DDR3L,4Gb,256Mbx16,933Mhz,1V35,TFBGA", Manufacturer=NANYA, BMS_Part_Number=9171435, ComponentLink1Description=Datasheet, ComponentLink1URL=http://tunmcdsvn.tun.st.com/Component_Datasheet_Library/Trunk/IC/Nanya_DDR3_NT5CC256M16ER-EK, ECCN_EU=tbd, ECCN_US=tbd, Internal_Part_Number=MCD-01811, Manufacturer_Part_Number=NT5CC256M16ER-EK, Part_Type=IC, Provided_By=SUBCO, Status=Released
U4: library part MCD-00303, "STM PMIC WFQFN 5.0x6.0x0.80 44L 0.4 pitch", Manufacturer=STMICROELECTRONICS, Manufacturer_Part_Number=STPMU1APQR, BMS_Part_Number=9177718, ComponentLink1Description=Datasheet, ComponentLink1URL=http://tunmcdsvn.tun.st.com/Component_Datasheet_Library/Trunk/IC/STM_PMIC_LuftBurg_5x6_44L_20_01_2016, ECCN_EU=NEC, ECCN_US=EAR99, Internal_Part_Number=MCD-00303, Part_Type=IC, Provided_By="SUBCO with ST control", Status=Obsolete
U5: library part MCD-00110, "Memory,e-MMC,4GB,3V3,WFBGA,153pins", Manufacturer=TOSHIBA, Manufacturer_Part_Number=THGBMDG5D1LBAIL, ComponentLink1Description=Datasheet, ComponentLink1URL=http://tunmcdsvn.tun.st.com/Component_Datasheet_Library/Trunk/IC/Toshiba_eMMC_THGBMDG5D1LBAIL_20151201, ECCN_EU=NEC, ECCN_US=3A991, Internal_Part_Number=MCD-00110, Part_Type=IC, Provided_By=SUBCO, Status=Released

## Via types
v1: diameter 0.4, hole 0.2, Top Layer to Bottom Layer, tented both sides, 241 vias
v2: diameter 0.6, hole 0.3, Top Layer to Bottom Layer, tented both sides, 81 vias
v3: diameter 0.25, hole 0.1, Top Layer to Signal Layer 1, tented top, 72 vias
v4: diameter 0.25, hole 0.1, Top Layer to Signal Layer 1, tented both sides, 6 vias

## Nets (pads, with @x,y where several pads share a name; then routed paths per layer and width w, separated by ;. In a path a pad name is that pad's centre, name@x,y a point inside that pad or via, vN(x,y) a via of type N, cw(c..) or ccw(c..) an arc to the next point about the centre after c; other vN are vias at no path point)
3V3: C32.2 C40.2 C78.2 C79.2 L4.2 U4.22 U4.27 U5.E6 U5.F5 U5.J10 U5.K9 | length 51.3
  Top Layer w0.1: v3(12.25,81.45) U4.27@12.25,82.025
  Top Layer w0.175: U5.J10@27.7,88.475 U5.K9@28.2,88.975 v1(28.2,89.45) ; U5.E6@29.7,86.475 U5.F5@30.2,86.975 v1(30.625,86.975)
  Top Layer w0.2: 9.725,82.5 U4.22@9.9,82.675 9.9,82.491
  Top Layer w0.3: 9.625,82.5 9.725,82.5
  Top Layer w0.4: C32.2@7.7,80.075 7.9,80.075 8.187,80.362 8.635,80.81 8.635,81.41 9.725,82.5
  Signal Layer 1 w0.2: v2(11.575,74.9) 12.25,75.575 v3(12.25,81.45)
  Signal Layer 2 w0.3: v2(8.3,80.25) 7.075,79.025 7.075,76.475 8.65,74.9 v2(10.2,74.9) v2(10.9,74.9) v2(11.575,74.9)
  Bottom Layer w0.1: C79.2@27.35,89.575 C79.2@27.475,89.45
  Bottom Layer w0.13: C78.2@30.025,86.9 C78.2@30.125,87 ; v1@30.6,87 v1(30.625,86.975)
  Bottom Layer w0.3: v2(11.575,74.9) 17.275,80.6 17.275,82.625 18.775,84.125 22.575,84.125 25.25,86.8 25.25,87.475 C79.2@27.35,89.575 ; C79.2@27.475,89.45 28.175,89.45 28.188,89.437 29.325,88.3 29.325,87.6 C78.2@30.025,86.9 ; C78.2@30.125,87 v1@30.6,87
5V_VIN: C18.2 C31.2 C33.2 C39.2 C41.2 C51.2 R43.2 U4.8 U4.12 U4.19 U4.24 U4.28 U4.36 U4.37 | length 23.6
  Top Layer w0.2: 8.775,83.875 U4.19@9.9,83.875 ; 11.05,81.3 U4.24@11.05,82.025 ; U4.8@12.25,86.925 12.25,88.76 ; U4.28@12.65,82.025 12.65,80.975 13.625,80 C31.2@13.625,79.25 ; U4.36@15.8,83.075 16.45,83.075 C51.2@16.7,82.825 ; U4.37@15.8,83.475 16.825,83.475
  Top Layer w0.3: C41.2@7.7,83.325 8.25,83.875 8.775,83.875 ; v1(8.075,78.775) v1(8.55,78.775) v1(9,78.775) ; v2(18.575,81.45) 19.325,81.45 R43.2@19.461,81.586
  Top Layer w0.4: v2(4.725,83.15) v2(5.35,83.15) 5.735,82.765 7.335,82.765 7.7,83.13 C41.2@7.7,83.325
  Top Layer w0.45: 16.625,83.55 18.078,83.55 18.503,83.125 v2(18.575,83.125) ; C51.2@16.7,82.825 16.7,82.127 17.377,81.45 v2(18.575,81.45)
  Signal Layer 2 w0: 7.051,81.828 9.199,83.975
  other v1: 13.225,78.725 13.725,78.725 14.2,78.725
  other v2: 6.075,88.575 6.075,89.2 6.075,89.825 11.85,89.9 12.55,89.9 7.278,93.4
DDR_A0: R1.1 U1.L20 U2.N3 | length 49.6
  Top Layer w0.12: v1(35.625,63.5) 35.7,63.5 U1.L20@36,63.2 ; U2.N3@53.925,60.3 v1(54.325,60.7)
  Bottom Layer w0.12: v1(35.625,63.5) 41.35,63.5 41.565,63.715 41.951,63.715 42.066,63.6 42.225,63.6 42.475,63.85 42.475,65.95 41.6,66.825 41.6,73.525 42.1,74.025 47.825,74.025 48.5,73.35 48.5,61.375 49.85,60.025 53.8,60.025 54.325,60.55 v1(54.325,60.7) 54.325,60.95 54.725,61.35 54.725,61.65 55.7,62.625 56.025,62.625 R1.1@57.8,64.4
DDR_A1: R2.1 U1.P22 U2.P7 | length 52.1
  Top Layer w0.09: U1.P22@37,61.7 37.24,61.46 37.895,61.46 37.975,61.38 38.47,61.38 38.595,61.255 38.917,61.255 38.932,61.27 39.455,61.27 39.9,60.825 v1(40.175,60.825)
  Top Layer w0.12: U2.P7@53.125,57.1 v1(53.525,56.7)
  Bottom Layer w0.12: v1(40.175,60.825) 40.175,54.7 40.5,54.375 40.5,52 40.75,51.75 41.65,51.75 41.9,52 41.9,55.4 42.075,55.575 44.75,55.575 44.85,55.675 44.85,55.875 44.75,55.975 43.65,55.975 43.525,56.1 43.525,56.225 43.65,56.35 45.125,56.35 45.3,56.175 45.3,51.125 45.625,50.8 46.625,50.8 46.875,51.05 46.875,56.075 47.075,56.275 48.95,56.275 49.825,57.15 53.075,57.15 v1(53.525,56.7) 53.8,56.7 54.2,56.3 54.715,56.3 54.825,56.41 55.315,56.41 55.7,56.025 57.55,56.025 58.975,54.6 R2.1@60.75,54.6
DDR_A2: R3.1 U1.J20 U2.P3 | length 48.3
  Top Layer w0.12: v1(35.625,64.025) 35.8,64.2 U1.J20@36,64.2 ; U2.P3@53.125,60.3 v1(53.525,60.7)
  Bottom Layer w0.12: v1(35.625,64.025) 40,64.025 40.125,64.15 40.125,64.775 39.975,64.925 39.525,64.925 39.3,65.15 39.3,65.6 39.5,65.8 39.9,65.8 40.1,66 40.1,66.625 40.775,67.3 40.775,74.575 41.075,74.875 48.25,74.875 49.25,73.875 49.25,61.575 50.25,60.575 53.4,60.575 v1(53.525,60.7) 53.525,60.95 53.9,61.325 53.9,61.8 54.15,62.05 54.45,62.05 54.8,62.4 54.8,62.9 55.8,63.9 R3.1@55.8,64.4
DDR_A3: R4.1 U1.K22 U2.N2 | length 48.4
  Top Layer w0.09: U1.K22@37,63.7 37.24,63.46 39.265,63.46 39.325,63.4 39.656,63.4 39.691,63.435 40.259,63.435 40.294,63.4 41.275,63.4 41.95,64.075 v1(42.075,64.075)
  Top Layer w0.12: U2.N2@53.925,61.1 v1(54.325,61.5)
  Bottom Layer w0.12: v1(42.075,64.075) 42.075,64.925 41.9,65.1 40.925,65.1 40.675,65.35 40.675,65.675 41.15,66.15 41.15,73.65 41.95,74.45 48,74.45 48.875,73.575 48.875,61.475 50.05,60.3 53.675,60.3 53.925,60.55 53.925,60.925 54.125,61.125 54.125,61.3 v1(54.325,61.5) 54.325,61.6 55.025,62.3 55.025,62.625 56.175,63.775 56.6,63.775 56.8,63.975 R4.1@56.8,64.4
DDR_A4: R5.1 U1.V20 U2.P8 | length 44.9
  Top Layer w0.12: v1(35.6,59.9) 35.634,59.9 35.834,59.7 U1.V20@36,59.7 ; v1(52.625,54.9) 52.625,55.18 52.725,55.28 52.725,55.9 U2.P8@53.125,56.3
  Bottom Layer w0.12: v1(35.6,59.9) 35.634,59.9 36.434,59.1 36.434,57.291 36.6,57.125 36.875,57.125 37.625,56.375 37.625,52.775 38.175,52.225 38.175,48.4 39.2,47.375 48.05,47.375 48.15,47.475 48.15,47.7 48.075,47.775 45.35,47.775 45.275,47.85 45.275,48.1 45.35,48.175 49.275,48.175 49.65,48.55 49.65,54.3 50.75,55.4 52.125,55.4 v1(52.625,54.9) ; 52.68,54.695 52.8,54.575 52.8,53.7 52.95,53.55 53.2,53.55 R5.1@53.705,53.045
DDR_A5: R6.1 U1.H20 U2.P2 | length 46.5
  Top Layer w0.12: v1(35.125,64.175) 35.65,64.7 U1.H20@36,64.7 ; U2.P2@53.125,61.1 v1(53.525,61.5)
  Bottom Layer w0.12: v1(35.125,64.175) 35.425,64.475 38.45,64.475 38.8,64.825 38.8,66.1 40.375,67.675 40.375,74.775 40.9,75.3 48.4,75.3 49.6,74.1 49.6,61.7 50.45,60.85 52.875,60.85 v1(53.525,61.5) 53.525,62.245 54.8,63.52 R6.1@54.8,64.4
DDR_A6: R7.1 U1.W20 U2.R8 | length 44.2
  Top Layer w0.12: v1(35.625,59.4) 35.825,59.2 U1.W20@36,59.2 ; v1(51.905,55) 51.905,55.88 U2.R8@52.325,56.3 ; U2.R8@52.312,56.35 U2.R8@52.325,56.35
  Bottom Layer w0.12: v1(35.625,59.4) 36,59.025 36,56.775 36.15,56.625 36.775,56.625 37.125,56.275 37.125,52.65 37.75,52.025 37.75,48.2 39,46.95 51.125,46.95 51.225,47.05 51.225,47.225 51.075,47.375 48.65,47.375 48.575,47.45 48.575,47.625 48.7,47.75 49.975,47.75 50.15,47.925 50.15,54.4 50.925,55.175 51.73,55.175 v1(51.905,55) 52.325,54.58 52.395,54.58 52.53,54.445 52.53,53.22 R7.1@52.705,53.045
DDR_A7: R8.1 U1.E20 U2.R2 | length 43.6
  Top Layer w0.12: v1(35.625,66) 35.825,66.2 U1.E20@36,66.2 ; v1@51.925,62.419 51.925,61.5 U2.R2@52.325,61.1
  Bottom Layer w0.12: v1(35.625,66) 37.2,66 37.55,66.35 37.55,67.775 38,68.225 38.725,68.225 39.075,68.575 39.075,75.825 39.825,76.575 49.225,76.575 50.725,75.075 50.725,62.175 50.9,62 51.465,62 v1(51.905,62.44) 51.905,62.97 51.6,63.275 51.6,64.2 R8.1@51.8,64.4